# Altium PCB LimeSDR-PCIe_1v2.PcbDoc (part 5 of 9)
Units mm, origin at the board's own origin, x right, y up, seen from the top; angles counter-clockwise.
Board outline 136.85 x 68.9 mm, 12 copper layers (Top, L2, L3, L4, L5, L6, L7, L8, L9, L10, L11, Bottom), stack 1.638 mm thick; 821 components, 532 nets, 3803 pads, 1799 vias.
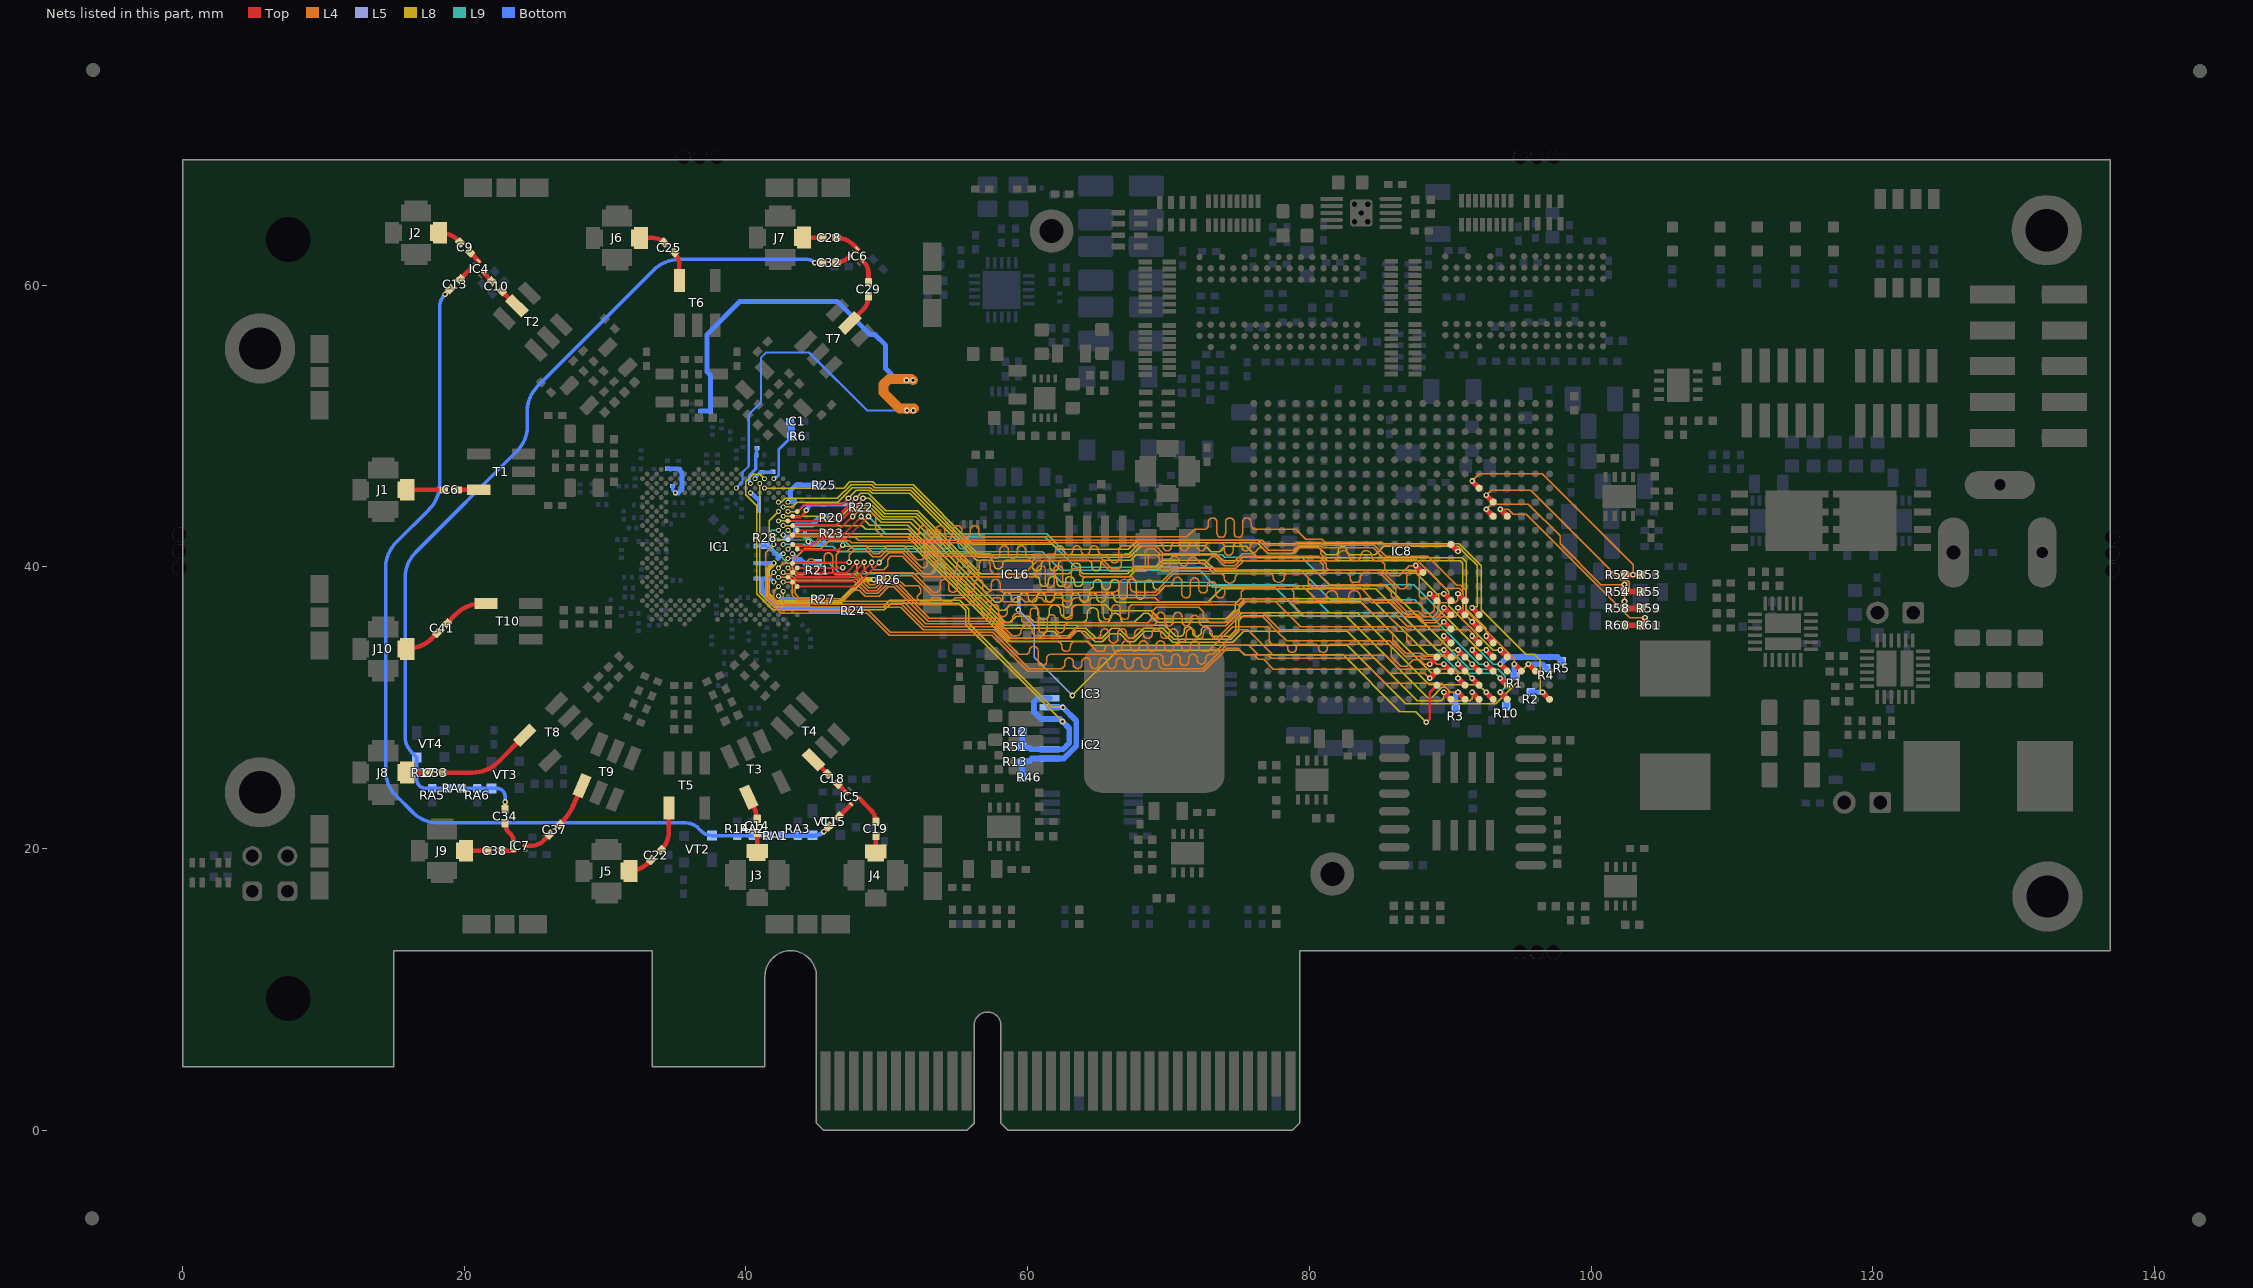
[diagram p15: the nets of this part, all layers, seen from the top]

## Via types
v1: diameter 0.4, hole 0.2, Top to Bottom, tented both sides, 1691 vias
v2: diameter 0.35, hole 0.2, Top to Bottom, tented top, 87 vias
v3: diameter 0.5, hole 0.2, Top to Bottom, tented both sides, 20 vias
v4: diameter 0.4, hole 0.2, Top to Bottom, tented top, 1 vias

## Nets (pads, with @x,y where several pads share a name; then routed paths per layer and width w, separated by ;. In a path a pad name is that pad's centre, name@x,y a point inside that pad or via, vN(x,y) a via of type N, cw(c..) or ccw(c..) an arc to the next point about the centre after c; other vN are vias at no path point) (continued)
LMK_CLK: IC8.B9 IC16.15 | length 39.8
  Top w0.2: v1(88.3,28.975) 88.55,29.225 88.55,31.1 IC8.B9@89.05,31.6
  L5 w0.1: v1(59.325,36.95) 60.45,35.825 60.45,33.58 63.155,30.875 v1(63.175,30.875)
  L8 w0.1: v1(63.175,30.875) 66.4,34.1 75.055,34.1 75.405,33.75 82.395,33.75 86.42,29.725 87.55,29.725 v1(88.3,28.975)
  Bottom w0.25: v1@59.375,36.95 IC16.15@59.375,37.537
LMS_CORE_LDO_EN: IC1.U33 IC8.C4 R5.1 | length 60.9
  Top w0.11: IC1.U33@43.31,41.599 43.924,41.599
  Top w0.13: 43.924,41.599 44.081,41.441 44.575,41.441 45.117,41.983 47.099,41.983 48.666,43.55 v1@48.7,43.55
  Top w0.4: v1(93.55,33.1) IC8.C4@94.05,32.6
  L9 w0.1: v1(48.7,43.575) 49.919,42.356 61.344,42.356 62.825,40.875 73.8,40.875 73.975,40.7 79.45,40.7 81.425,38.725 87.42,38.725 93.045,33.1 v1(93.55,33.1)
  Bottom w0.4: v1(93.55,33.1) 94.05,33.6 97.625,33.6 R5.1@97.925,33.3
LMS_DIQ1_D0: IC1.AG31 IC8.D9 | length 59.3
  Top w0.4: v1(88.55,33.1) IC8.D9@89.05,33.6
  L4 w0.1: v2(42.644,38.269) 42.644,37.506 42.8,37.35 51.065,37.35 52.665,35.75 57.475,35.75 57.716,35.75 58.791,34.675 62.125,34.675 cw(c62.125,34.371) 62.429,34.371 62.429,34.304 ccw(c62.733,34.304) 62.733,34 ccw(c62.733,34.304) 63.037,34.304 63.037,34.371 cw(c63.341,34.371) 63.341,34.675 63.375,34.675 64.225,34.675 64.9,34 65.175,34 65.333,34 ccw(c65.333,34.146) 65.479,34.146 cw(c65.783,34.146) 65.783,34.45 cw(c65.783,34.146) 66.087,34.146 ccw(c66.233,34.146) 66.233,34 66.391,34 ccw(c66.391,34.304) 66.695,34.304 66.695,34.449 cw(c66.999,34.449) 66.999,34.753 cw(c66.999,34.449) 67.303,34.449 67.303,34.304 ccw(c67.607,34.304) 67.607,34 ccw(c67.607,34.304) 67.911,34.304 67.911,34.449 cw(c68.215,34.449) 68.215,34.753 cw(c68.215,34.449) 68.519,34.449 68.519,34.304 ccw(c68.823,34.304) 68.823,34 ccw(c68.823,34.304) 69.127,34.304 69.127,34.449 cw(c69.431,34.449) 69.431,34.753 cw(c69.431,34.449) 69.735,34.449 69.735,34.304 ccw(c70.039,34.304) 70.039,34 70.114,34 ccw(c70.114,34.229) 70.343,34.229 cw(c70.647,34.229) 70.647,34.533 cw(c70.647,34.229) 70.951,34.229 ccw(c71.18,34.229) 71.18,34 71.255,34 ccw(c71.255,34.304) 71.559,34.304 71.559,34.449 cw(c71.863,34.449) 71.863,34.753 cw(c71.863,34.449) 72.167,34.449 72.167,34.304 ccw(c72.471,34.304) 72.471,34 72.65,34 72.808,34 74.558,35.75 77.025,35.75 77.138,35.637 77.138,34.712 77.325,34.525 77.55,34.525 77.854,34.525 78.166,34.525 cw(c78.166,34.229) 78.462,34.229 ccw(c78.766,34.229) 78.766,33.925 ccw(c78.766,34.229) 79.07,34.229 cw(c79.366,34.229) 79.366,34.525 79.425,34.525 79.75,34.525 80.054,34.525 80.366,34.525 cw(c80.366,34.229) 80.662,34.229 ccw(c80.966,34.229) 80.966,33.925 ccw(c80.966,34.229) 81.27,34.229 cw(c81.566,34.229) 81.566,34.525 81.878,34.525 81.9,34.525 85.63,34.525 85.8,34.355 85.8,33.638 86.488,32.95 86.9,32.95 87.375,33.425 87.825,33.425 88.15,33.1 v1(88.55,33.1)
LMS_DIQ1_D1: IC1.AF30 IC8.B7 | length 59.2
  Top w0.4: v1(90.55,32.1) IC8.B7@91.05,31.6
  L4 w0.1: v2(42.311,38.602) 41.986,38.277 41.986,37.801 42.637,37.15 50.982,37.15 52.582,35.55 57.633,35.55 59.383,33.8 59.825,33.8 59.877,33.8 ccw(c59.877,34.052) 60.129,34.052 cw(c60.433,34.052) 60.433,34.356 cw(c60.433,34.052) 60.737,34.052 60.737,33.8 60.737,33.304 ccw(c61.041,33.304) 61.041,33 ccw(c61.041,33.304) 61.345,33.304 61.345,33.496 cw(c61.649,33.496) 61.649,33.8 61.8,33.8 69.075,33.8 69.302,33.8 cw(c69.302,33.496) 69.606,33.496 69.606,33.304 ccw(c69.91,33.304) 69.91,33 ccw(c69.91,33.304) 70.214,33.304 70.214,33.496 cw(c70.518,33.496) 70.518,33.8 cw(c70.518,33.496) 70.822,33.496 70.822,33.304 ccw(c71.126,33.304) 71.126,33 ccw(c71.126,33.304) 71.43,33.304 71.43,33.496 cw(c71.734,33.496) 71.734,33.8 cw(c71.734,33.496) 72.038,33.496 72.038,33.405 ccw(c72.342,33.405) 72.342,33.101 ccw(c72.342,33.405) 72.646,33.405 72.646,33.496 cw(c72.95,33.496) 72.95,33.8 73.167,33.8 74.892,35.525 75.63,35.525 77.43,33.725 85.43,33.725 86.405,32.75 90.325,32.75 90.55,32.525 v1(90.55,32.1)
LMS_DIQ1_D2: IC1.AF34 IC8.H8 | length 59.4
  Top w0.15: IC1.AF34@43.643,38.602 47.752,38.602 v1@49.457,40.307
  Top w0.4: v1(89.55,38.1) IC8.H8@90.05,37.6
  L4 w0.1: v1(49.45,40.314) 50.136,41 51.133,41 52.62,39.512 52.95,39.512 ccw(c52.95,39.912) 53.35,39.912 53.35,40.112 cw(c53.75,40.112) 53.75,40.512 cw(c53.75,40.112) 54.15,40.112 54.15,39.912 ccw(c54.55,39.912) 54.55,39.512 ccw(c54.55,39.912) 54.95,39.912 54.95,40.112 cw(c55.35,40.112) 55.35,40.512 cw(c55.35,40.112) 55.75,40.112 55.75,39.912 ccw(c56.15,39.912) 56.15,39.512 ccw(c56.15,39.912) 56.55,39.912 56.55,40.112 cw(c56.95,40.112) 56.95,40.512 cw(c56.95,40.112) 57.35,40.112 57.35,39.912 ccw(c57.75,39.912) 57.75,39.512 58.025,39.512 59.741,39.512 60.678,40.45 65.1,40.45 65.875,39.675 68.375,39.675 68.55,39.85 68.55,40.725 68.7,40.875 69.141,40.875 69.35,40.666 69.35,39.9 69.553,39.697 69.978,39.697 70.181,39.9 74.775,39.9 75.325,40.45 80.695,40.45 81,40.145 81,39.725 81.175,39.55 82.675,39.55 82.9,39.325 82.9,39.075 83.05,38.925 83.475,38.925 83.625,39.075 83.625,39.35 83.825,39.55 85.025,39.55 86.125,38.45 86.125,37.899 86.574,37.45 87.85,37.45 88.025,37.275 88.025,36.925 88.25,36.7 88.65,36.7 88.875,36.925 88.875,37.875 89.1,38.1 v1(89.55,38.1)
LMS_DIQ1_D3: IC1.AE31 IC8.C8 | length 59.3
  Top w0.4: v1(89.55,33.1) IC8.C8@90.05,32.6
  L4 w0.1: v2(42.644,38.935) 42.652,38.927 43.112,38.927 43.302,38.736 43.302,38.467 43.3,38.465 43.3,38 43.75,37.55 51.175,37.55 52.775,35.95 57.799,35.95 58.824,34.925 62.98,34.925 63.53,35.475 63.72,35.475 64.27,34.925 64.574,34.925 64.878,34.925 ccw(c64.878,35.229) 65.182,35.229 65.182,35.302 cw(c65.486,35.302) 65.486,35.606 cw(c65.486,35.302) 65.79,35.302 65.79,34.925 65.79,34.892 ccw(c66.094,34.892) 66.094,34.588 ccw(c66.094,34.892) 66.398,34.892 66.398,34.925 66.398,35.302 cw(c66.702,35.302) 66.702,35.606 cw(c66.702,35.302) 67.006,35.302 67.006,35.229 ccw(c67.31,35.229) 67.31,34.925 ccw(c67.31,35.229) 67.614,35.229 67.614,35.302 cw(c67.918,35.302) 67.918,35.606 cw(c67.918,35.302) 68.222,35.302 68.222,35.229 ccw(c68.526,35.229) 68.526,34.925 ccw(c68.526,35.229) 68.83,35.229 68.83,35.302 cw(c69.134,35.302) 69.134,35.606 cw(c69.134,35.302) 69.438,35.302 69.438,35.229 ccw(c69.742,35.229) 69.742,34.925 ccw(c69.742,35.229) 70.046,35.229 70.046,35.302 cw(c70.35,35.302) 70.35,35.606 cw(c70.35,35.302) 70.654,35.302 70.654,34.925 ccw(c70.885,34.925) 70.885,34.694 71.031,34.694 ccw(c71.031,34.925) 71.262,34.925 71.262,35.302 cw(c71.566,35.302) 71.566,35.606 cw(c71.566,35.302) 71.87,35.302 71.87,35.229 ccw(c72.174,35.229) 72.174,34.925 ccw(c72.174,35.229) 72.478,35.229 72.478,35.302 cw(c72.782,35.302) 72.782,35.606 cw(c72.782,35.302) 73.086,35.302 73.086,35.229 ccw(c73.39,35.229) 73.39,34.925 73.45,34.925 74.975,36.45 76.695,36.45 76.9,36.245 76.9,36.242 77.692,35.45 77.695,35.45 78.395,34.75 85.688,34.75 86.788,33.65 87.883,33.65 88.083,33.45 88.7,33.45 89.05,33.1 v1(89.55,33.1)
LMS_DIQ1_D4: IC1.AD30 IC8.C7 | length 59.3
  Top w0.4: v1(90.55,33.1) IC8.C7@91.05,32.6
  L4 w0.1: v2(42.311,39.268) 43.053,39.268 43.502,38.819 43.502,38.081 43.833,37.75 47.025,37.75 47.625,38.35 48.045,38.35 48.47,37.925 49.449,37.925 50.099,38.575 50.5,38.575 52.925,36.15 57.881,36.15 58.906,35.125 59.125,35.125 59.225,35.125 ccw(c59.225,35.425) 59.525,35.425 cw(c59.925,35.425) 59.925,35.825 cw(c59.925,35.425) 60.325,35.425 ccw(c60.625,35.425) 60.625,35.125 61.125,35.125 61.35,35.125 62.897,35.125 63.597,35.825 68.83,35.825 ccw(c68.83,36.129) 69.134,36.129 69.134,36.464 cw(c69.438,36.464) 69.438,36.768 cw(c69.438,36.464) 69.742,36.464 69.742,36.129 ccw(c70.046,36.129) 70.046,35.825 ccw(c70.046,36.129) 70.35,36.129 70.35,36.464 cw(c70.654,36.464) 70.654,36.768 cw(c70.654,36.464) 70.958,36.464 70.958,36.129 ccw(c71.262,36.129) 71.262,35.825 ccw(c71.262,36.129) 71.566,36.129 71.566,36.256 cw(c71.87,36.256) 71.87,36.56 cw(c71.87,36.256) 72.174,36.256 72.174,36.129 ccw(c72.478,36.129) 72.478,35.825 72.95,35.825 74.063,35.825 74.988,36.75 76.678,36.75 77.1,36.328 77.1,36.325 77.775,35.65 77.778,35.65 77.878,35.55 85.605,35.55 85.935,35.22 85.935,34.785 86.846,33.875 87.941,33.875 88.166,33.65 90.375,33.65 90.55,33.475 v1(90.55,33.1)
LMS_DIQ1_D5: IC1.AC29 IC8.C9 | length 59.3
  Top w0.4: v1(88.55,32.1) IC8.C9@89.05,32.6
  L4 w0.1: v2(41.978,39.601) 41.6,39.223 41.6,37.904 42.579,36.925 48.68,36.925 50.255,35.35 57.367,35.35 ; 57.367,35.35 57.533,35.35 60.099,32.784 62.325,32.784 ccw(c62.325,33.088) 62.629,33.088 62.629,33.238 cw(c62.933,33.238) 62.933,33.542 cw(c62.933,33.238) 63.237,33.238 63.237,33.088 ccw(c63.541,33.088) 63.541,32.784 ccw(c63.541,33.088) 63.845,33.088 63.845,33.238 cw(c64.149,33.238) 64.149,33.542 cw(c64.149,33.238) 64.453,33.238 64.453,33.088 ccw(c64.757,33.088) 64.757,32.784 ccw(c64.757,33.088) 65.061,33.088 65.061,33.238 cw(c65.365,33.238) 65.365,33.542 cw(c65.365,33.238) 65.669,33.238 65.669,33.088 ccw(c65.973,33.088) 65.973,32.784 ccw(c65.973,33.088) 66.277,33.088 66.277,33.238 cw(c66.581,33.238) 66.581,33.542 cw(c66.581,33.238) 66.885,33.238 66.885,33.088 ccw(c67.189,33.088) 67.189,32.784 ccw(c67.189,33.088) 67.493,33.088 67.493,33.238 cw(c67.797,33.238) 67.797,33.542 cw(c67.797,33.238) 68.101,33.238 68.101,33.088 ccw(c68.405,33.088) 68.405,32.784 ccw(c68.405,33.088) 68.709,33.088 68.709,33.238 cw(c69.013,33.238) 69.013,33.542 cw(c69.013,33.238) 69.317,33.238 69.317,33.088 ccw(c69.621,33.088) 69.621,32.784 69.825,32.784 72.434,32.784 74.1,34.45 75.705,34.45 76.38,33.775 77.05,33.775 77.3,33.525 84.625,33.525 85.7,32.45 88.2,32.45 v1(88.55,32.1)
LMS_DIQ1_D6: IC1.AE33 IC8.H7 | length 59.3
  Top w0.15: IC1.AE33@43.31,38.935 43.327,38.952 47.577,38.952 v1@48.935,40.31
  Top w0.4: v1(90.55,38.1) IC8.H7@91.05,37.6
  L4 w0.1: v1@48.925,40.345 v1(48.925,40.32) 48.925,40 49.125,39.8 49.78,39.8 50.05,40.07 50.05,40.525 50.275,40.75 51.1,40.75 52.538,39.312 60.35,39.312 ccw(c60.35,39.616) 60.654,39.616 60.654,39.789 cw(c60.958,39.789) 60.958,40.093 cw(c60.958,39.789) 61.262,39.789 61.262,39.312 61.262,38.836 ccw(c61.566,38.836) 61.566,38.532 ccw(c61.566,38.836) 61.87,38.836 61.87,39.312 61.87,39.789 cw(c62.174,39.789) 62.174,40.093 cw(c62.174,39.789) 62.478,39.789 62.478,39.312 62.478,38.836 ccw(c62.782,38.836) 62.782,38.532 ccw(c62.782,38.836) 63.086,38.836 63.086,39.312 63.086,39.606 cw(c63.39,39.606) 63.39,39.91 cw(c63.39,39.606) 63.694,39.606 63.694,39.568 ccw(c63.95,39.568) 63.95,39.312 67.372,39.312 67.709,38.975 69.539,38.975 70.264,39.7 80.455,39.7 81.43,38.725 85.279,38.725 85.8,38.204 85.8,37.941 86.891,36.85 87.741,36.85 88.141,36.45 88.825,36.45 89.125,36.75 89.125,37.25 89.325,37.45 90.35,37.45 90.55,37.65 v1(90.55,38.1)
LMS_DIQ1_D7: IC1.AD32 IC8.G8 | length 59.3
  Top w0.11: IC1.AD32@42.977,39.268 43.585,39.268
  Top w0.15: 43.585,39.268 45.813,39.268 47.348,39.268 48.4,40.32 v1(48.4,40.325)
  Top w0.4: v1(89.55,37.1) IC8.G8@90.05,36.6
  L4 w0.1: v1(48.4,40.325) 48.4,39.75 48.575,39.575 51.883,39.575 53.258,38.2 53.475,38.2 ccw(c53.475,38.504) 53.779,38.504 53.779,38.809 cw(c54.083,38.809) 54.083,39.113 cw(c54.083,38.809) 54.387,38.809 54.387,38.504 ccw(c54.691,38.504) 54.691,38.2 ccw(c54.691,38.504) 54.995,38.504 54.995,38.809 cw(c55.299,38.809) 55.299,39.113 cw(c55.299,38.809) 55.603,38.809 55.603,38.504 ccw(c55.907,38.504) 55.907,38.2 ccw(c55.907,38.504) 56.211,38.504 56.211,38.809 cw(c56.515,38.809) 56.515,39.113 cw(c56.515,38.809) 56.819,38.809 56.819,38.504 ccw(c57.123,38.504) 57.123,38.2 ccw(c57.123,38.504) 57.427,38.504 57.427,38.809 cw(c57.731,38.809) 57.731,39.113 cw(c57.731,38.809) 58.035,38.809 58.035,38.504 ccw(c58.339,38.504) 58.339,38.2 58.643,38.2 58.675,38.2 66.075,38.2 ccw(c66.075,38.6) 66.475,38.6 66.475,38.713 cw(c66.875,38.713) 66.875,39.113 cw(c66.875,38.713) 67.275,38.713 67.275,38.6 ccw(c67.675,38.6) 67.675,38.2 68.075,38.2 68.375,38.2 69.047,38.2 70.347,39.5 72.725,39.5 73.15,39.5 73.7,39.5 cw(c73.7,39.25) 73.95,39.25 ccw(c74.35,39.25) 74.35,38.85 ccw(c74.35,39.25) 74.75,39.25 cw(c75,39.25) 75,39.5 75.15,39.5 76.425,39.5 76.625,39.5 77.217,39.5 cw(c77.217,39.292) 77.425,39.292 ccw(c77.825,39.292) 77.825,38.892 ccw(c77.825,39.292) 78.225,39.292 cw(c78.433,39.292) 78.433,39.5 78.625,39.5 79.655,39.5 79.925,39.23 79.925,38.85 80.25,38.525 83.63,38.525 84.505,37.65 85.808,37.65 86.808,36.65 87.658,36.65 88.083,36.225 88.897,36.225 89.55,36.878 v1(89.55,37.1)
LMS_DIQ1_D8: IC1.AC31 IC8.E8 | length 59.3
  Top w0.4: v1(89.55,35.1) IC8.E8@90.05,34.6
  L4 w0.1: v2(42.644,39.601) 42.72,39.525 43.079,39.525 43.554,39.05 47.628,39.05 48.553,38.125 49.366,38.125 50.016,38.775 50.583,38.775 53.008,36.35 57.964,36.35 58.289,36.025 58.65,36.025 ccw(c58.65,36.329) 58.954,36.329 58.954,36.4 cw(c59.258,36.4) 59.258,36.704 cw(c59.258,36.4) 59.562,36.4 59.562,36.329 ccw(c59.866,36.329) 59.866,36.025 ccw(c59.866,36.329) 60.17,36.329 60.17,36.775 cw(c60.474,36.775) 60.474,37.079 cw(c60.474,36.775) 60.778,36.775 60.778,36.025 60.778,35.629 ccw(c61.082,35.629) 61.082,35.325 ccw(c61.082,35.629) 61.386,35.629 61.386,36.025 61.386,36.298 cw(c61.69,36.298) 61.69,36.602 cw(c61.69,36.298) 61.994,36.298 61.994,36.025 61.994,35.629 ccw(c62.298,35.629) 62.298,35.325 ccw(c62.298,35.629) 62.602,35.629 62.602,35.721 cw(c62.906,35.721) 62.906,36.025 64.05,36.025 68.525,36.025 68.85,36.35 68.85,36.85 69.125,37.125 72.15,37.125 72.475,36.8 72.475,36.475 72.925,36.025 73.98,36.025 75.48,37.525 77.62,37.525 79.395,35.75 85.975,35.75 86.275,35.45 86.705,35.45 86.9,35.255 86.9,34.75 87.2,34.45 89.275,34.45 89.55,34.725 v1(89.55,35.1)
LMS_DIQ1_D9: IC1.AC33 IC8.G7 | length 59.3
  Top w0.15: IC1.AC33@43.31,39.601 43.352,39.559 47.109,39.559 v1(47.875,40.325)
  Top w0.4: v1(90.55,37.1) IC8.G7@91.05,36.6
  L4 w0.1: v1(47.875,40.325) 47.875,39.658 48.783,38.75 49.142,38.75 49.767,39.375 51.8,39.375 53.175,38 69.13,38 69.78,38.65 70.025,38.65 ccw(c70.025,38.954) 70.329,38.954 cw(c70.633,38.954) 70.633,39.258 cw(c70.633,38.954) 70.937,38.954 70.937,38.65 70.937,38.11 ccw(c71.241,38.11) 71.241,37.806 ccw(c71.241,38.11) 71.545,38.11 71.545,38.65 71.545,38.915 cw(c71.849,38.915) 71.849,39.219 cw(c71.849,38.915) 72.153,38.915 72.153,38.65 72.153,38.452 ccw(c72.457,38.452) 72.457,38.148 ccw(c72.457,38.452) 72.761,38.452 72.761,38.65 cw(c73.065,38.65) 73.065,38.954 cw(c73.065,38.65) 73.369,38.65 73.369,38.11 ccw(c73.673,38.11) 73.673,37.806 ccw(c73.673,38.11) 73.977,38.11 73.977,38.346 cw(c74.281,38.346) 74.281,38.65 74.35,38.65 79.505,38.65 80.505,37.65 80.8,37.65 80.925,37.65 ccw(c80.925,37.925) 81.2,37.925 cw(c81.6,37.925) 81.6,38.325 cw(c81.6,37.925) 82,37.925 ccw(c82.275,37.925) 82.275,37.65 82.525,37.65 ccw(c82.525,37.925) 82.8,37.925 cw(c83.2,37.925) 83.2,38.325 cw(c83.2,37.925) 83.6,37.925 ccw(c83.875,37.925) 83.875,37.65 83.925,37.65 84.222,37.65 84.422,37.45 85.725,37.45 86.725,36.45 87.575,36.45 88,36.025 88.98,36.025 89.405,36.45 90.35,36.45 90.55,36.65 v1(90.55,37.1)
LMS_DIQ1_D10: IC1.AB30 IC8.F8 | length 59.2
  Top w0.4: v1(89.55,36.1) IC8.F8@90.05,35.6
  L4 w0.1: v2(42.311,39.934) 42.636,40.259 43.141,40.259 43.302,40.098 43.302,39.892 43.744,39.45 44.025,39.45 ccw(c44.025,39.754) 44.329,39.754 44.329,40.271 cw(c44.633,40.271) 44.633,40.575 cw(c44.633,40.271) 44.937,40.271 44.937,39.754 ccw(c45.241,39.754) 45.241,39.45 ccw(c45.241,39.754) 45.545,39.754 45.545,40.696 cw(c45.849,40.696) 45.849,41 cw(c45.849,40.696) 46.153,40.696 46.153,39.754 ccw(c46.457,39.754) 46.457,39.45 46.761,39.45 46.85,39.45 47.794,39.45 48.293,38.95 48.3,38.95 48.725,38.525 49.2,38.525 49.85,39.175 50.749,39.175 51.274,38.65 52.242,38.65 52.425,38.467 52.425,38.175 52.175,37.925 52.175,37.749 52.399,37.525 53,37.525 53.275,37.8 53.725,37.8 54,37.525 54.575,37.525 54.85,37.8 55.55,37.8 55.825,37.525 56.15,37.525 56.425,37.8 56.7,37.8 56.975,37.525 57.325,37.525 57.6,37.8 58.025,37.8 58.29,37.535 58.843,37.535 58.85,37.541 58.866,37.541 59.125,37.8 59.525,37.8 59.8,37.525 60.3,37.525 60.575,37.8 60.95,37.8 61.225,37.525 61.65,37.525 61.925,37.8 62.4,37.8 62.65,37.55 63.1,37.55 63.35,37.8 63.65,37.8 63.9,37.55 64.3,37.55 64.55,37.8 69.05,37.8 69.325,37.525 74.914,37.525 75.175,37.786 75.175,38.22 75.405,38.45 78.695,38.45 78.9,38.245 78.9,37.6 79.05,37.45 83.695,37.45 84.395,36.75 85.971,36.75 86.946,35.775 89.225,35.775 v1(89.55,36.1)
LMS_DIQ1_D11: IC1.AB32 IC8.E6 | length 59.2
  Top w0.4: v1(91.55,35.1) IC8.E6@92.05,34.6
  L4 w0.1: v2(42.977,39.934) 43.661,39.25 47.711,39.25 48.636,38.325 49.283,38.325 49.933,38.975 50.666,38.975 52.316,37.325 55.65,37.325 56.114,37.325 56.418,37.325 cw(c56.418,37.021) 56.722,37.021 56.722,36.854 ccw(c57.026,36.854) 57.026,36.55 ccw(c57.026,36.854) 57.33,36.854 57.33,37.021 cw(c57.634,37.021) 57.634,37.325 cw(c57.634,37.021) 57.938,37.021 57.938,36.77 ccw(c58.242,36.77) 58.242,36.466 ccw(c58.242,36.77) 58.546,36.77 58.546,37.021 cw(c58.85,37.021) 58.85,37.325 61.75,37.325 61.955,37.325 62.259,37.325 cw(c62.259,37.021) 62.563,37.021 62.563,36.575 ccw(c62.867,36.575) 62.867,36.271 ccw(c62.867,36.575) 63.171,36.575 63.171,37.021 cw(c63.475,37.021) 63.475,37.325 64.45,37.325 64.754,37.325 65.058,37.325 cw(c65.058,37.021) 65.362,37.021 65.362,36.575 ccw(c65.666,36.575) 65.666,36.271 ccw(c65.666,36.575) 65.97,36.575 65.97,37.021 cw(c66.274,37.021) 66.274,37.325 cw(c66.274,37.021) 66.578,37.021 66.578,36.575 ccw(c66.882,36.575) 66.882,36.271 ccw(c66.882,36.575) 67.186,36.575 67.186,37.021 cw(c67.49,37.021) 67.49,37.325 69.125,37.325 74.997,37.325 75.397,37.725 78.42,37.725 79.595,36.55 85.605,36.55 86.405,35.75 86.688,35.75 86.913,35.525 91.3,35.525 91.55,35.275 v1(91.55,35.1)
LMS_DIQ2_D0: IC1.H30 IC8.G6 | length 58.8
  Top w0.4: v1(91.55,37.1) IC8.G6@92.05,36.6
  L8 w0.1: v2(42.311,44.596) 42.517,44.596 42.797,44.875 46.497,44.875 47.46,45.838 48.917,45.838 49.13,45.625 51.792,45.625 56.542,40.875 67.144,40.875 67.969,41.7 76.304,41.7 77.079,40.925 78.775,40.925 79.3,41.45 80.6,41.45 81.2,40.85 81.75,40.85 81.758,40.85 ccw(c81.758,41.146) 82.054,41.146 cw(c82.358,41.146) 82.358,41.45 cw(c82.358,41.146) 82.662,41.146 ccw(c82.958,41.146) 82.958,40.85 83.27,40.85 83.5,40.85 84.675,40.85 85.275,41.45 90.554,41.45 91.154,40.85 91.9,40.104 91.9,37.225 91.775,37.1 v1(91.55,37.1)
LMS_DIQ2_D1: IC1.J31 IC8.E5 | length 58.8
  Top w0.4: v1(92.55,35.1) IC8.E5@93.05,34.6
  L8 w0.1: v2(42.644,44.263) 43.288,44.263 43.625,44.6 46.505,44.6 47.543,45.638 48.835,45.638 49.047,45.425 51.709,45.425 56.459,40.675 67.226,40.675 68.051,41.5 72.6,41.5 73.025,41.075 73.625,41.075 74.025,41.475 75.5,41.475 76.325,40.65 90.85,40.65 91.15,40.35 91.15,36.995 92.55,35.595 v1(92.55,35.1)
LMS_DIQ2_D2: IC1.K30 IC8.A8 | length 58.8
  Top w0.4: v1(89.55,31.1) IC8.A8@90.05,30.6
  L8 w0.1: v2(42.311,43.93) 42.309,43.931 41.649,43.271 41.649,42.076 41.801,41.924 42.509,41.924 42.824,41.924 43.056,42.156 51.47,42.156 58.701,34.925 60.825,34.925 61.35,35.45 61.85,35.45 62.375,34.925 62.805,34.925 63.33,35.45 64.05,35.45 64.8,34.7 65.308,34.7 65.854,35.246 66.571,35.246 67.117,34.7 67.575,34.7 68.325,35.45 69.5,35.45 70.3,34.65 74.55,34.65 75.35,35.45 82.695,35.45 87.645,30.5 89.375,30.5 89.55,30.675 v1(89.55,31.1)
LMS_DIQ2_D3: IC1.K32 IC8.D7 | length 59.2
  Top w0.4: v1(90.55,34.1) IC8.D7@91.05,33.6
  L8 w0.1: v2(42.977,43.93) 43.685,43.93 44.13,44.375 48.966,44.375 49.766,43.575 52.042,43.575 57.234,38.383 64.35,38.383 ccw(c64.35,38.687) 64.654,38.687 64.654,38.792 cw(c64.958,38.792) 64.958,39.096 cw(c64.958,38.792) 65.262,38.792 65.262,38.687 ccw(c65.566,38.687) 65.566,38.383 ccw(c65.566,38.687) 65.87,38.687 65.87,38.792 cw(c66.174,38.792) 66.174,39.096 cw(c66.174,38.792) 66.478,38.792 66.478,38.383 66.478,38.02 ccw(c66.782,38.02) 66.782,37.716 ccw(c66.782,38.02) 67.086,38.02 67.086,38.383 67.086,38.831 cw(c67.39,38.831) 67.39,39.135 cw(c67.39,38.831) 67.694,38.831 67.694,38.383 67.694,38.02 ccw(c67.998,38.02) 67.998,37.716 ccw(c67.998,38.02) 68.302,38.02 68.302,38.383 68.302,38.759 cw(c68.606,38.759) 68.606,39.063 cw(c68.606,38.759) 68.91,38.759 68.91,38.687 ccw(c69.214,38.687) 69.214,38.383 69.508,38.383 69.775,38.65 85.505,38.65 90.055,34.1 v1(90.55,34.1)
LMS_DIQ2_D4: IC1.L31 IC8.D8 | length 59.2
  Top w0.4: v1(89.55,34.1) IC8.D8@90.05,33.6
  L8 w0.1: v2(42.644,43.597) 46.764,43.597 47.317,44.15 48.908,44.15 49.683,43.375 51.825,43.375 57.7,37.5 57.925,37.5 ccw(c57.925,37.804) 58.229,37.804 58.229,37.865 cw(c58.533,37.865) 58.533,38.169 cw(c58.533,37.865) 58.837,37.865 58.837,37.804 ccw(c59.141,37.804) 59.141,37.5 ccw(c59.141,37.804) 59.445,37.804 59.445,37.865 cw(c59.749,37.865) 59.749,38.169 cw(c59.749,37.865) 60.053,37.865 60.053,37.804 ccw(c60.357,37.804) 60.357,37.5 ccw(c60.357,37.804) 60.661,37.804 60.661,37.865 cw(c60.965,37.865) 60.965,38.169 cw(c60.965,37.865) 61.269,37.865 61.269,37.804 ccw(c61.573,37.804) 61.573,37.5 ccw(c61.573,37.804) 61.877,37.804 61.877,37.865 cw(c62.181,37.865) 62.181,38.169 cw(c62.181,37.865) 62.485,37.865 62.485,37.5 62.485,37.439 ccw(c62.789,37.439) 62.789,37.135 ccw(c62.789,37.439) 63.093,37.439 63.093,37.5 63.093,37.865 cw(c63.397,37.865) 63.397,38.169 cw(c63.397,37.865) 63.701,37.865 63.701,37.804 ccw(c64.005,37.804) 64.005,37.5 ccw(c64.005,37.804) 64.309,37.804 64.309,37.865 cw(c64.613,37.865) 64.613,38.169 cw(c64.613,37.865) 64.917,37.865 64.917,37.804 ccw(c65.221,37.804) 65.221,37.5 ccw(c65.221,37.804) 65.525,37.804 65.525,37.865 cw(c65.829,37.865) 65.829,38.169 cw(c65.829,37.865) 66.133,37.865 66.133,37.804 ccw(c66.437,37.804) 66.437,37.5 66.975,37.5 72.795,37.5 73.745,38.45 84.15,38.45 84.725,38.45 89.075,34.1 v1(89.55,34.1)